# Altium PCB 打样.PcbDoc (part 2 of 2)
Units mil, origin at the board's own origin, x right, y up, seen from the top; angles counter-clockwise.
Board outline 3502.21 x 4542.23 mil, 2 copper layers (Top Layer, Bottom Layer); 58 components, 86 nets, 375 pads, 250 vias.
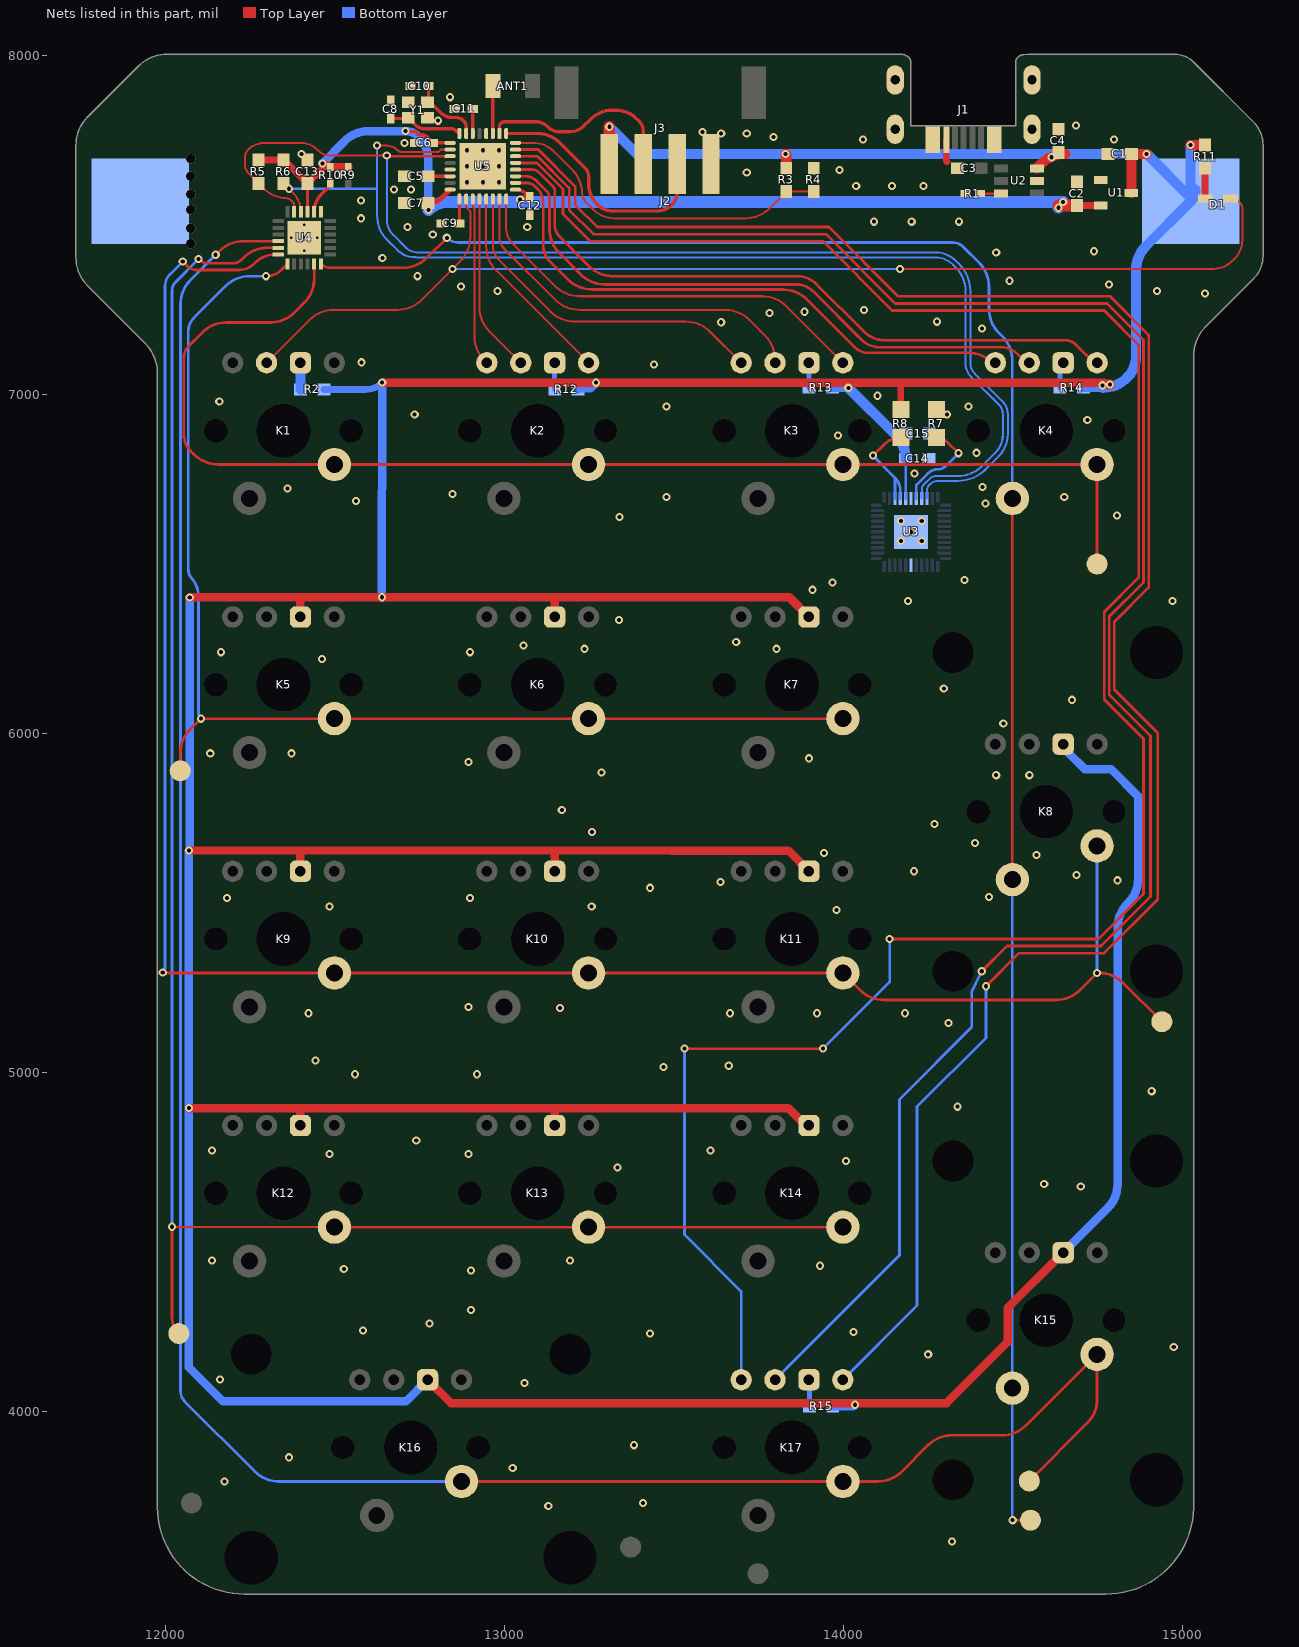
[diagram p2: the nets of this part, all layers, seen from the top]

## Via types
v1: diameter 24, hole 12, Top Layer to Bottom Layer, tented both sides, 229 vias
v2: diameter 24, hole 12, Top Layer to Bottom Layer, 9 vias
v3: diameter 28, hole 28, Top Layer to Bottom Layer, tented both sides, 6 vias
v4: diameter 19.68, hole 7.87, Top Layer to Bottom Layer, tented both sides, 4 vias
v5: diameter 24, hole 7.87, Top Layer to Bottom Layer, tented both sides, 1 vias
v6: diameter 94.49, hole 94.49, Top Layer to Bottom Layer, tented both sides, 1 vias

## Nets (pads, with @x,y where several pads share a name; then routed paths per layer and width w, separated by ;. In a path a pad name is that pad's centre, name@x,y a point inside that pad or via, vN(x,y) a via of type N, cw(c..) or ccw(c..) an arc to the next point about the centre after c; other vN are vias at no path point) (continued)
COL3: K4.4 K8.4 K15.4 pad.21 U4.12 | length 5798.8
  Top Layer w8: U4.12@12459,7385.4 ccw(c12487.06,7413.46) 12487.06,7373.78 12700.56,7373.78 ccw(c12700.56,7473.78) 12771.27,7403.07 v1(12830.6,7462.4) ; K8.4@14498.89,5568.86 K4.4@14498.89,6684.95 ; v1(14500,3679.4) pad.21@14552.46,3679.4 pad.21@14553.06,3680
  Bottom Layer w8: v1(12830.6,7462.4) ccw(c12864.07,7495.87) 12864.07,7448.54 14323.89,7448.54 cw(c14323.89,7406.01) 14353.96,7436.08 14400.69,7389.35 cw(c14329.98,7318.64) 14429.98,7318.64 14429.98,7252.19 ccw(c14529.98,7252.19) 14459.27,7181.48 14471.05,7169.7 cw(c14405.45,7104.1) 14498.22,7104.1 14498.22,7096.53 cw(c14469.39,7090.3) 14498.89,7090.3 K4.4@14498.89,6693.83 ; K4.4@14490,6693.83 K4.4@14498.89,6684.95 ; K8.4@14498.89,5568.86 K15.4@14498.89,4068.81 14498.89,3680.52 v1(14500,3679.4)
D1: K2.1 U5.5 | length 604.1
  Top Layer w6: U5.5@12946.65,7577.09 12946.65,7437.46 ccw(c13046.65,7437.46) 12975.94,7366.75 K2.1@13248.86,7093.83
D2: K2.2 U5.4 | length 529.4
  Top Layer w6: U5.4@12926.97,7577.09 12926.97,7257.14 ccw(c13026.97,7257.14) 12956.26,7186.43 K2.2@13048.86,7093.83
D3: K2.3 U5.3 | length 496.2
  Top Layer w6: U5.3@12907.28,7577.09 12907.28,7553.31 12912.39,7548.2 12912.39,7171.72 ccw(c13012.39,7171.72) 12941.68,7101.01 K2.3@12948.86,7093.83
D4: K3.1 U5.8 | length 1248
  Top Layer w6: U5.8@13005.71,7577.09 13005.71,7490 ccw(c13067.13,7490) 13023.67,7446.6 ; 13023.7,7446.57 13150.98,7319.29 ccw(c13221.69,7390) 13221.69,7290 13761.3,7290 cw(c13761.3,7190) 13832.01,7260.71 K3.1@13998.89,7093.83
D5: K3.2 U5.7 | length 1105.5
  Top Layer w6: U5.7@12986.02,7577.09 12986.02,7464.56 ccw(c13035.72,7464.56) 13000.58,7429.42 13150.71,7279.29 ccw(c13221.42,7350) 13221.42,7250 13651.75,7250 cw(c13651.75,7150) 13722.46,7220.71 13756.74,7186.43 13769.6,7173.58 cw(c13698.89,7102.87) 13798.89,7102.87 K3.2@13798.89,7093.83
D6: K3.3 U5.6 | length 1016.4
  Top Layer w6: U5.6@12966.34,7577.09 12966.34,7440.17 ccw(c13026.83,7440.17) 12984.05,7397.4 13137.17,7244.29 ccw(c13207.88,7315) 13207.88,7215 13536.3,7215 cw(c13536.3,7115) 13607.01,7185.71 K3.3@13698.89,7093.83
D7: K4.1 U5.12 | length 2013.2
  Top Layer w8: U5.12@13033.27,7663.7 13082.1,7663.7 cw(c13082.1,7634.84) 13102.51,7655.25 ; 13091.93,7661.97 cw(c13082.1,7634.84) 13102.51,7655.25 ; 13921.71,7325 14061,7185.71 ccw(c14123.07,7247.78) 14123.07,7160 14655,7160 cw(c14655,7114.54) 14687.15,7146.68 K4.1@14740,7093.83 ; 13921.68,7325.03 ccw(c13863.28,7266.57) 13863.28,7349.2 13321.14,7349.2 cw(c13321.14,7449.2) 13250.43,7378.49 13164.36,7464.56 cw(c13201.79,7501.99) 13148.86,7501.99 13148.86,7603.44 ccw(c13135.69,7603.44) 13145.01,7612.75 13102.51,7655.25
D8: K4.2 U5.11 | length 1798.9
  Top Layer w8: U5.11@13033.27,7644.01 13062.51,7644.01 cw(c13062.51,7598.07) 13094.99,7630.57 13124.83,7600.73 ; 13124.85,7600.71 cw(c13103.6,7579.51) 13131.6,7590.32 cw(c13103.6,7579.51) 13133.62,7579.51 13133.62,7487.76 ccw(c13233.62,7487.76) 13162.91,7417.05 13225.67,7354.29 ccw(c13296.38,7425) 13296.38,7325 13860,7325 cw(c13860,7249.75) 13913.21,7302.96 14056.17,7160 ccw(c14104.45,7208.28) 14104.45,7140 14465,7140 cw(c14465,7070.39) 14514.22,7119.61 K4.2@14540,7093.83
D9: K4.3 U5.10 | length 1708
  Top Layer w8: U5.10@13033.27,7624.33 13064.28,7624.33 cw(c13064.28,7584.78) 13092.24,7612.75 13097.33,7607.66 cw(c13054.67,7565) 13115,7565 13115,7438.8 ccw(c13178.57,7438.8) 13133.62,7393.85 13188.18,7339.29 ccw(c13258.89,7410) 13258.89,7310 13821.98,7310 cw(c13821.98,7210) 13892.69,7280.71 14033.4,7140 ccw(c14074.15,7180.75) 14074.15,7123.12 14369.29,7123.12 cw(c14369.29,7023.12) K4.3@14440,7093.83
D10: K17.3 U5.13 | length 6477.4
  Top Layer w8: U5.13@13033.27,7683.39 13096.36,7683.39 13173.43,7606.31 13173.43,7532.52 13253.4,7452.55 13940.19,7452.55 14144.49,7248.25 14770.01,7248.25 14871.57,7146.68 14871.57,6460.64 14770.01,6359.07 14770.01,6100.79 14886.08,5984.72 14886.08,5527.38 14752.56,5393.86 v1(14137.01,5393.86) ; v1(13531.52,5070.48) v1(13940.52,5070.48)
  Bottom Layer w8: v1(13531.52,5070.48) 13531.52,4521.7 13698.89,4354.34 K17.3@13698.89,4093.81 ; v1(13940.52,5070.48) 14137.01,5266.97 v1(14137.01,5393.86)
D11: K17.2 U5.14 | length 5891.3
  Top Layer w8: U5.14@13033.27,7703.07 13097.59,7703.07 13191.58,7609.08 13191.58,7544.56 13263.07,7473.06 13948.68,7473.06 14152.98,7268.76 14778.51,7268.76 14886.08,7161.19 14886.08,6446.13 14784.51,6344.56 14784.51,6115.3 14906.6,5993.22 14906.6,5518.89 14761.05,5373.34 14483.2,5373.34 v1(14408.71,5298.86)
  Bottom Layer w8: K17.2@13798.89,4093.81 14166.19,4461.11 14166.19,4920.7 14379.01,5133.53 14379.01,5238.19 v1@14404.13,5290.67 ; v1@14404.14,5290.69 14404.4,5291.03 v1(14408.71,5298.86)
D12: K17.1 U5.15 | length 5835.5
  Top Layer w8: U5.15@13033.27,7722.76 13100.4,7722.76 13209.25,7613.91 13209.25,7559.61 13274.56,7494.3 13957.48,7494.3 14161.78,7290 14787.3,7290 14901.1,7176.21 14901.1,6431.11 14799.53,6329.55 14799.53,6130.31 14927.83,6002.01 14927.83,5510.09 14769.85,5352.11 14518.79,5352.11 v1(14421.17,5254.49)
  Bottom Layer w8: K17.1@13998.89,4093.81 14217.92,4312.85 14217.92,4899.27 14421.17,5102.52 v1(14421.17,5254.49)
GND: C1.1 C2.1 C3.1 C4.1 C5.2 C6.2 C7.1 C8.2 C9.2 C10.2 C11.2 C12.1 C13.1 C14.1 C15.1 J1.5 J2.2 J3.4 R1.1 R4.1 R7.1 U1.1 U2.2 U3.17 U3.39 U3.45 U4.19 U4.25 U5.20 U5.29 U5.33 Y1.3 | length 65.7
  Top Layer w20: J1.5@14304.09,7751.69 14304.09,7691.09 ccw(c14310.56,7691.09) 14305.98,7686.52
  other v1: 14321.42,3616.87 13130,3721.65 13408.94,3730 12175,3793.81 13025,3833.18 12365,3864.94 13382.57,3900.71 13060,4084.06 12161.06,4095 14250.71,4168.81 14975,4189.92 13430,4230.07 14030,4235.12 12583.67,4239.35 12780,4260 12901.72,4300 12901.72,4415.97 12526.7,4420 13930.98,4430 12138.31,4445 13193.89,4445 14700.67,4664.22 14592.86,4670.8 13334.22,4720 14008.05,4738.81 12484.47,4760 12895.01,4760 12138.31,4770 13608.05,4770 12740.55,4800 14336.82,4899.27 14910,4945 12559.43,4995 12919.27,4995 13470,5016.78 13662.37,5020 12443.21,5035 14310.95,5145.64 12423.09,5175 13666.15,5175 13923.11,5175 14182.15,5175 13164.61,5190 12895.01,5193.86 13979.98,5480 12484.46,5490 13258.02,5490 12182.02,5515 12898.86,5515 14429.98,5517.4 13430,5545 13638.32,5562.44 14809.45,5567.13 14688.49,5582.4 14208.82,5593.86 14570,5641.38 13943.21,5647.82 14388.91,5676.92 13259.42,5709.85 14269.61,5733.5 13169.86,5774.73 14451.29,5877.16 14548.89,5877.16 13286.66,5885.25 12895.01,5916.02 13898.89,5927.01 12132.78,5941.73 12372.04,5941.73 14472.25,6029.45 14675.4,6099.53 14296.74,6133.29 12462.37,6220 12164.34,6240 12898.86,6240 13236.35,6250 13802.66,6250 13056.85,6260 13684.25,6270 13338.3,6335 14190.74,6390.59 14971.05,6390.59 13909.27,6424.11 13967.89,6445.57 14357.52,6452.92 14170.08,6568.34 14231.74,6568.34 14200.01,6595 14170.08,6626.5 14231.74,6626.5 13339.69,6638.58 14807.55,6643.16 14420.13,6679.1 12562.51,6685.84 13478.47,6697.36 14651.98,6697.36 12847.47,6706.88 12361.1,6723.12 14410.98,6727.26 14209.98,6767.56 14393.26,6828.25 13984.48,6879.5 14720,6924.73 12735.84,6941.27 14305.98,6941.27 13478.47,6964.84 14369.67,6964.84 12159.5,6979.23 14101.58,6996.52 13441.54,7088.87 12579.3,7095.14 14409.45,7194.8 13640,7213.28 14277,7215 13782.7,7240.38 13886.21,7244.29 14061,7250 15067.6,7298.48 14925.18,7305 12979.85,7306.01 12872.94,7319.29 14784.51,7325 14490,7335.74 12744.24,7349.2 12640.28,7403.31 14451.29,7419.37 14740,7422.72 12789.12,7472 12714.74,7494.3 13067.85,7494.3 14091.03,7510 14201.98,7510 14341.5,7510 12577.74,7520 12577.74,7572.64 12675,7604.65 12725,7604.65 14038.32,7615 14143.57,7615 14236.34,7615 13715.43,7655.13 13989.02,7661.97 12401.62,7709.24 12706,7742.05 14058.68,7752.3 14798.89,7752.3 13794.77,7760.16 13640,7770 13715.43,7770 13585,7775 14687.15,7793.9 12805,7807.93 12840.35,7877.25
  other v2: 12889.57,7626.3 12936.81,7626.3 12984.05,7626.3 12889.57,7673.54 12936.81,7673.54 12984.05,7673.54 12889.57,7720.79 12936.81,7720.79 12984.05,7720.79
  other v3: 12075,7445 12075,7490 12075,7545 12075,7590.32 12075,7644.01 12075,7695
  other v4: 12410,7424.21 12371.81,7462.4 12448.19,7462.4 12410,7500.59
  other v5: 12410,7462.4
LED: D1.3 K1.2 U5.2 | length 3403.8
  Top Layer w6: K1.2@12298.87,7093.83 12425.74,7220.71 cw(c12496.46,7150) 12496.46,7250 12685.44,7250 ccw(c12685.44,7350) 12756.15,7279.29 v1(12847.74,7370.88) 12870.71,7393.85 ccw(c12800,7464.56) 12900,7464.56 12900,7540.36 12887.6,7552.76 U5.2@12887.6,7577.09 ; v1(14167.18,7370.88) 15093.52,7370.88 ccw(c15093.52,7443.13) 15144.61,7392.04 ccw(c15095.24,7457.75) 15153.34,7399.63 15155.02,7401.3 ccw(c15101.32,7455) 15174.14,7433.45 ccw(c15101.32,7455) 15177.26,7455 15177.26,7540.98 ccw(c15138.76,7540.98) 15177.18,7543.42 15177.18,7551.15 ccw(c15158.5,7551.15) 15171.72,7564.35 15169.64,7566.44 ccw(c15142.4,7539.2) D1.3@15142.4,7577.72
  Bottom Layer w6: v1(12847.74,7370.88) v1(14167.18,7370.88)
NetANT1_1: ANT1.1 U5.19 | length 140
  Top Layer w10: U5.19@12966.34,7770 ANT1.1@12966.34,7910
NetC5_1: C5.1 U5.30 | length 65.4
  Top Layer w10: C5.1@12775,7644.01 U5.30@12840.35,7644.01
NetC8_1: C8.1 U5.24 Y1.2 | length 220.8
  Top Layer w10: C8.1@12665,7814.5 12711.5,7814.5 ccw(c12711.5,7821.52) Y1.2@12716.46,7816.56 12718.43,7816.56 12730.16,7804.82 12730.16,7802.93 12737,7796.09 ccw(c12766.18,7825.27) 12766.18,7784 12844.13,7784 cw(c12844.13,7765.22) 12847.74,7783.65 cw(c12844.13,7765.22) 12857.41,7778.5 cw(c12822.47,7724.56) U5.24@12867.91,7770
NetC9_1: C9.1 U5.1 | length 72.1
  Top Layer w10: C9.1@12867.91,7505 U5.1@12867.91,7577.09
NetC10_1: C10.1 U5.23 Y1.1 | length 213.3
  Top Layer w10: C10.1@12776.54,7910 12776.54,7869.07 cw(c12766.3,7869.07) Y1.1@12773.54,7861.83 cw(c12773.54,7839.8) 12789.12,7855.38 12813.29,7831.21 ccw(c12846.9,7864.83) 12831.86,7819.73 ccw(c12846.9,7864.83) 12846.9,7817.29 12857.41,7817.29 cw(c12857.41,7785.34) 12880,7807.93 cw(c12861.66,7789.59) 12887.6,7789.59 U5.23@12887.6,7770
NetC11_1: C11.1 U5.22 | length 72.7
  Top Layer w10: U5.22@12907.28,7770 C11.1@12907.28,7842.68
NetD1_0: D1.0 R11.1 | length 89.9
  Top Layer w20: D1.0@15067.6,7577.72 R11.1@15067.6,7667.6
NetK1_0: K1.0 R2.1 | length 78.8
  Bottom Layer w30: R2.1@12398.87,7015 K1.0@12398.87,7093.83
NetK2_0: K2.0 R12.2 | length 78.8
  Bottom Layer w15: R12.2@13148.86,7015 K2.0@13148.86,7093.83
NetK3_0: K3.0 R13.2 | length 73.8
  Bottom Layer w15: R13.2@13898.89,7020 K3.0@13898.89,7093.83
NetK4_0: K4.0 R14.2 | length 73.8
  Bottom Layer w15: R14.2@14640,7020 K4.0@14640,7093.83
NetK17_0: K17.0 R15.2 | length 79.1
  Bottom Layer w6: K17.0@13898.89,4093.81 cw(c13896.19,4091.12) K17.0@13900,4091.12
  Bottom Layer w15: R15.2@13900,4015 K17.0@13900,4091.12
NetR1_2: R1.2 U2.6 | length 58.6
  Top Layer w8: R1.2@14406.44,7592.8 U2.6@14465,7592.8
NetR7_2: R7.2 U3.40 | length 282.4
  Top Layer w8: R7.2@14275,6873.41 cw(c14275,6828.58) 14306.7,6860.28 v1(14340,6826.99)
  Bottom Layer w8: U3.40@14215.74,6693.42 14215.74,6707.59 cw(c14269.52,6707.59) 14215.8,6710.09 14215.8,6733.14 14215.74,6733.2 14250.11,6767.56 cw(c14278.74,6738.92) 14278.74,6779.42 ccw(c14278.74,6814.39) 14303.47,6789.66 14323.89,6810.08 14324.1,6810.08 14339.29,6825.26 ccw(c14337.56,6826.99) v1(14340,6826.99)
NetR8_2: R8.2 U3.36 U3.37 | length 319.3
  Top Layer w8: v1(14088.33,6820) 14121.76,6853.43 cw(c14170,6805.19) R8.2@14170,6873.41
  Bottom Layer w8: v1(14088.33,6820) ccw(c14091.03,6820) 14089.12,6818.09 14152.75,6754.46 ; U3.36@14152.76,6693.42 14152.76,6711.1 ccw(c14139.91,6711.1) 14152.75,6711.51 14152.75,6754.46 ; U3.37@14168.51,6693.42 14168.51,6716.44 ccw(c14114.73,6716.44) 14152.75,6754.46
NetR10_2: R10.2 U4.20 | length 99.8
  Top Layer w10: U4.20@12439.3,7539 cw(c12512.45,7539) 12460.72,7590.72 12481.82,7611.82 ccw(c12470.53,7623.11) R10.2@12486.5,7623.11
ROW0: K1.5 K2.5 K3.5 K4.5 pad.9 U4.11 | length 3797.2
  Top Layer w8: U4.11@12439.3,7385.4 12439.3,7341.68 cw(c12339.3,7341.68) 12410.01,7270.97 12381.04,7242 cw(c12310.33,7312.71) 12310.33,7212.71 12180.29,7212.71 ccw(c12180.29,7112.71) 12109.58,7183.42 12068.6,7142.45 ccw(c12101.51,7109.58) 12057.72,7125.25 ccw(c12101.51,7109.58) 12055,7109.58 12055,6881.73 ccw(c12123.28,6881.73) 12075,6833.45 12085.33,6823.12 ccw(c12156.04,6893.83) 12156.04,6793.83 K1.5@12498.87,6793.83 K2.5@13248.86,6793.83 K3.5@13998.89,6793.83 K4.5@14740,6793.83 ; pad.9@14748.89,6500 K4.5@14748.89,6793.83
ROW1: K5.5 K6.5 K7.5 pad.11 U4.7 | length 3599.6
  Top Layer w8: pad.11@12044.29,5890.08 12044.29,5941.73 cw(c12144.29,5941.73) 12073.58,6012.44 v1(12105,6043.86) K5.5@12498.88,6043.86 K6.5@13248.86,6043.86 K7.5@13998.89,6043.86 ; v1(12297.08,7349.2) ccw(c12297.08,7415.16) 12343.72,7368.52 U4.7@12360.6,7385.4
  Bottom Layer w8: v1(12105,6043.86) cw(c12121.87,6060.73) 12098.01,6060.73 12098.01,6405.48 ccw(c12018.14,6405.48) 12080.73,6455.09 cw(c12112,6486.36) 12076.46,6460.05 cw(c12112,6486.36) 12067.79,6486.36 12067.79,7185 cw(c12128.14,7185) 12085.46,7227.68 12177.7,7319.91 cw(c12248.41,7249.2) 12248.41,7349.2 v1(12297.08,7349.2)
ROW2: K8.5 K9.5 K10.5 K11.5 pad.10 U4.6 | length 5847.9
  Top Layer w8: v1@12001.74,5295 ccw(c12004.5,5297.75) 12004.5,5293.86 K9.5@12498.88,5293.86 K10.5@13248.86,5293.86 K11.5@13998.89,5293.86 14049.49,5243.26 ccw(c14120.2,5313.97) 14120.2,5213.97 14627.57,5213.97 ccw(c14627.57,5313.97) 14698.28,5243.26 v1(14748.89,5293.86) 14754.72,5293.86 cw(c14754.72,5193.86) 14825.43,5264.57 pad.10@14940,5150 ; v1(12051.74,7392.55) 12066.45,7377.84 ccw(c12091.03,7402.42) 12091.03,7367.66 12217.79,7367.66 ccw(c12217.79,7431.24) 12262.74,7386.28 12265.11,7388.65 cw(c12323.9,7329.86) 12323.11,7413 cw(c12323.9,7329.86) 12323.9,7413 U4.6@12333,7413
  Bottom Layer w8: v1(11992.57,5295) ccw(c11975.75,5311.81) 11999.53,5311.81 11999.53,5333.23 11999.53,7319.91 cw(c12048.84,7319.91) 12013.97,7354.78 v1(12051.74,7392.55) ; v1(14748.89,5293.86) K8.5@14748.89,5668.86
ROW3: K12.5 K13.5 K14.5 pad.12 U4.5 | length 5435.8
  Top Layer w8: pad.12@12040,4230.07 cw(c12088.28,4278.35) 12020,4278.35 v1(12020,4545.01) K12.5@12498.87,4543.8 K13.5@13248.86,4543.8 K14.5@13998.89,4543.8 ; v1(12098.01,7399.53) ccw(c12128.03,7429.55) 12128.03,7387.1 12198.58,7387.1 ccw(c12198.58,7425.3) 12225.59,7398.28 12230.72,7403.41 cw(c12301.43,7332.7) 12301.43,7432.7 U4.5@12333,7432.7
  Bottom Layer w8: v1(12020,4545.01) 12020,7307.69 cw(c12053.38,7307.69) 12029.77,7331.29 v1(12098.01,7399.53)
ROW4: K15.5 K16.5 K17.5 pad.13 U4.4 | length 7000.6
  Top Layer w8: v1(12148.87,7412.38) 12159.5,7423.01 cw(c12230.21,7352.3) 12230.21,7452.3 U4.4@12333,7452.3 ; K16.5@12873.89,3793.81 K17.5@13998.89,3793.81 14102.39,3793.81 ccw(c14102.39,3893.81) 14173.1,3823.1 14250.71,3900.71 cw(c14321.42,3830) 14321.42,3930 14468.65,3930 ccw(c14468.65,4030) 14539.36,3959.29 K15.5@14748.89,4168.81 14748.89,4036.42 cw(c14648.89,4036.42) 14719.6,3965.71 pad.13@14548.89,3795
  Bottom Layer w8: v1(12148.87,7412.38) 12074.29,7337.8 ccw(c12145,7267.09) 12045,7267.09 12045,4059.9 ccw(c12087.28,4059.9) 12057.38,4030 12264.28,3823.1 ccw(c12334.99,3893.81) 12334.99,3793.81 K16.5@12873.89,3793.81
SCL: R5.1 U3.42 U4.23 U5.27 | length 3717.5
  Top Layer w6: U4.23@12380.2,7539 12380.2,7560 ccw(c12370.26,7560) 12377.29,7567.03 12373.63,7570.68 ccw(c12350.82,7547.87) 12356.89,7579.55 ccw(c12350.82,7547.87) 12350.82,7580.13 12348.87,7580.13 cw(c12360.03,7679.51) 12289.32,7608.79 R5.1@12275,7623.11 12275,7624.61 12260.5,7639.11 12259,7639.11 12246.95,7651.16 cw(c12275.77,7680) 12235,7680 12235,7698.61 cw(c12269.14,7698.61) 12245,7722.76 cw(c12291.57,7676.18) 12291.57,7742.05 12401.62,7742.05 cw(c12401.62,7676.18) 12448.19,7722.76 ccw(c12515.2,7789.76) 12455.15,7716.45 ccw(c12481.23,7742.53) 12464.81,7709.51 ccw(c12481.23,7742.53) 12481.23,7705.65 v1(12653.53,7705.65) ccw(c12659.75,7711.87) 12659.75,7703.07 U5.27@12840.35,7703.07
  Bottom Layer w6: v1(12653.53,7705.65) 12653.53,7516.78 ccw(c12718.46,7516.78) 12672.55,7470.86 12710.32,7433.09 ccw(c12743.45,7466.21) 12742.11,7419.39 ccw(c12743.45,7466.21) 12743.45,7419.37 14270.82,7419.37 cw(c14270.82,7329.96) 14334.04,7393.18 14341.5,7385.72 cw(c14260.63,7304.85) 14375,7304.85 14375,7093.83 ccw(c14420.86,7093.83) 14388.43,7061.41 14469.68,6980.16 cw(c14431.68,6942.16) 14485.42,6942.16 14485.42,6882.66 cw(c14394.1,6882.66) 14458.67,6818.09 14419.7,6779.11 cw(c14338.83,6859.98) 14338.83,6745.62 14278.74,6745.62 ccw(c14278.74,6714.77) 14256.93,6736.58 14253.26,6732.91 ccw(c14267.77,6718.4) 14247.24,6718.4 14247.24,6711.09 cw(c14235.77,6710.97) 14247.24,6710.97 U3.42@14247.24,6693.42
SDA: R6.1 U3.41 U4.22 U5.26 | length 3454.7
  Top Layer w6: v1(12364.87,7607.11) 12376.53,7595.45 cw(c12320.04,7539) U4.22@12399.9,7539 ; v1@12625.02,7722.78 v1(12625.02,7734.41) 12654.4,7734.41 cw(c12654.4,7694.69) 12682.48,7722.78 ccw(c12701.26,7741.55) 12701.26,7715 12805,7715 12812.76,7722.76 U5.26@12840.35,7722.76
  Bottom Layer w6: v1(12364.87,7607.11) 12625,7607.11 ; v1(12625.02,7734.41) 12625.02,7695.02 12625,7607.11 ; 12685.77,7425.22 12654.29,7456.71 cw(c12725,7527.42) 12625,7527.42 12625,7607.11 ; 12685.81,7425.19 ccw(c12733.88,7473.33) 12710.32,7409.51 ccw(c12733.88,7473.33) 12733.88,7405.3 ccw(c12742.11,7519.37) 12742.11,7405 14270.82,7405 cw(c14270.82,7329.96) 14323.89,7383.02 14331.34,7375.56 cw(c14260.63,7304.85) 14360.63,7304.85 14360.63,7093.83 ccw(c14420.86,7093.83) 14378.27,7051.25 14459.52,6970 cw(c14431.68,6942.16) 14471.05,6942.16 14471.05,6882.66 cw(c14394.1,6882.66) 14448.51,6828.25 14408.75,6788.49 cw(c14338.04,6859.2) 14338.04,6759.2 14270.14,6759.2 ccw(c14270.14,6740.51) 14256.93,6753.72 14236.34,6733.14 ccw(c14247.46,6722.02) 14231.74,6722.02 14231.74,6711.09 ccw(c14268.71,6706.82) 14231.49,6706.82 U3.41@14231.49,6693.42
SENSE: R3.1 R4.2 U5.16 | length 1019.1
  Top Layer w6: U5.16@13033.27,7742.44 13083.66,7742.44 cw(c13083.66,7651.29) 13092.13,7742.05 cw(c13083.66,7651.29) 13148.11,7715.74 13200.57,7663.29 cw(c13129.86,7592.58) 13229.86,7592.58 ccw(c13262.66,7592.58) 13239.46,7569.39 13263.01,7545.84 ccw(c13325.44,7608.33) 13325.44,7520 13711.99,7520 ccw(c13711.99,7620) 13782.7,7549.29 R3.1@13832.01,7598.6 R4.2@13913.21,7598.6
SWDCLK: J3.3 U5.17 | length 742.6
  Top Layer w10: U5.17@13005.71,7770 13097.83,7770 cw(c13097.83,7675.91) 13164.36,7742.44 13239.01,7667.79 cw(c13215.23,7644.01) 13248.86,7644.01 13248.86,7623.11 ccw(c13338.11,7623.11) 13275,7560 ccw(c13319.66,7604.66) 13319.66,7541.5 13450.34,7541.5 ccw(c13450.34,7604.66) 13495,7560 ccw(c13458.87,7596.13) 13509.97,7596.13 J3.3@13509.97,7679.68
SWDIO: J3.2 U5.18 | length 607.8
  Top Layer w10: U5.18@12986.02,7770 12986.02,7790 cw(c13000.57,7790) 12990.28,7800.28 cw(c13001.67,7788.9) 13001.67,7805 13091.93,7805 cw(c13091.93,7753.79) 13128.15,7790 ccw(c13164.36,7826.21) 13164.36,7775 13179,7775 ccw(c13179,7847.08) 13188.18,7775.59 13194.15,7775.59 ccw(c13194.15,7833.37) 13235.01,7792.51 13253.8,7811.3 cw(c13321.14,7743.96) 13321.14,7839.19 13325.44,7839.19 cw(c13325.44,7739.19) 13382.21,7821.52 13399.17,7804.55 cw(c13373.12,7778.5) 13409.97,7778.5 J3.2@13409.97,7679.68
Vbat: C1.2 C4.2 C14.2 C15.2 J2.1 J3.1 K5.0 K6.0 K7.0 K8.0 K9.0 K10.0 K11.0 K12.0 K13.0 K14.0 K15.0 K16.0 R2.2 R3.2 R8.1 R11.2 R12.1 R13.1 R14.1 R15.1 U1.3 U2.3 U3.38 | length 19648.1
  Top Layer w20: R8.1@14169.8,6955.71 14169.8,7035.08 14170,7035.28
  Top Layer w25: v1(12070,4895) 12398.87,4895 ; v1(12070,5655) 12398.87,5655 13148.86,5655 ; v1(12072.23,6400.91) 12073.41,6402.09 12398.88,6402.09 ; K12.0@12398.87,4843.8 12398.87,4895 ; K9.0@12398.88,5593.86 12398.88,5654.98 ; K5.0@12398.88,6343.86 12398.88,6402.09 ; v1(12640,7035.28) 12640.28,7035 v1(13270.83,7035) 13271.11,7035.28 14022.92,7035.28 ; K16.0@12773.89,4093.81 12842.7,4025 14305,4025 14485,4205 14485,4304.93 K15.0@14648.89,4468.81 ; K13.0@13148.86,4843.8 13148.86,4895 ; K10.0@13148.86,5593.86 13148.86,5655 ; K6.0@13148.86,6343.86 13148.86,6399.01 13145.78,6402.09 v1(12639.28,6402.09) 12398.88,6402.09 ; 13148.86,6402.09 13840.65,6402.09 K7.0@13898.89,6343.86 ; K14.0@13898.89,4843.8 13881.89,4860.79 13872.22,4860.79 13838.02,4895 13148.86,4895 ; K11.0@13898.89,5593.86 13838.12,5654.62 13493.68,5654.62 13493.3,5655 13148.86,5655 ; v1(14015,7020) 14015,7027.36 14022.92,7035.28 ; v1@14768.9,7035.28 14170,7035.28 14022.92,7035.28 ; 12398.87,4895 13148.86,4895
  Top Layer w30: v1(13830,7710) cw(c13825.16,7705.16) 13832.01,7705.16 R3.2@13832.01,7667.6 ; U2.3@14571.3,7667.6 14584.5,7680.8 cw(c14655,7610.29) 14655,7710 ; v1@14781.64,7030 v1(14787.16,7030) ; U1.3@14850,7595 C1.2@14850,7710 v1(14895,7710) ; v1(15025,7736.6) R11.2@15067.6,7736.6
  Top Layer w35: J3.1@13309.98,7679.68 v1(13309.98,7790)
  Bottom Layer w8: U3.38@14184.26,6693.42 C14.2@14184.26,6810.08 14184.26,6883.2 cw(c14186.8,6883.2) C15.2@14185,6885
  Bottom Layer w20: R2.2@12467.87,7015 12591.05,7015 ccw(c12591.05,7084.23) v1(12640,7035.28)
  Bottom Layer w25: v1(12072.23,6400.91) 12072.23,5657.23 v1(12070,5655) v1(12070,4895) 12070,4130 12170,4030 12710.07,4030 K16.0@12773.89,4093.81 ; v1(12639.28,6402.09) v1(12640,7035.28) ; R12.1@13217.86,7015 13221.14,7018.28 13254.11,7018.28 v1(13270.83,7035) ; R13.1@13967.89,7020 v1(14015,7020) ; R15.1@13969,4015 14030,4015 v1(14035,4020) ; K15.0@14648.89,4468.81 14780.16,4600.09 ccw(c14709.45,4670.8) 14809.45,4670.8 14809.45,5427.52 cw(c14909.45,5427.52) 14838.74,5498.24 14840.71,5500.2 ccw(c14770,5570.91) 14870,5570.91 14870,5815 14790,5895 14712.53,5895 14665.88,5941.65 14665.88,5951.87 K8.0@14648.89,5968.86 ; R14.1@14709,7020 v1@14766.02,7020
  Bottom Layer w30: v1(13309.98,7790) 13389.98,7710 v1(13830,7710) v1(14895,7710) 15017.93,7587.07 cw(c15000.86,7570) J2.1@15025,7570 ; v1(14015,7020) 14155.5,6879.5 cw(c14086.07,6810.08) C14.2@14184.26,6810.08 ; v1@14766.02,7020 ccw(c14766.02,7120) 14836.73,7049.29 14845.45,7058.02 ccw(c14763.86,7115.82) 14863.86,7115.82 14863.86,7367.44 cw(c14963.86,7367.44) 14893.15,7438.15 J2.1@15025,7570 ; J2.1@15024.57,7605.16 v1@15024.57,7736.6 ; J2.1@15039.57,7605.16 cw(c14989.84,7605.16) J2.1@15025,7570
  other v1: 14765.24,7027.36 14615,7700
VDD: C2.2 C6.1 C7.2 C12.2 C13.2 R5.2 R6.2 R9.2 R10.1 U1.2 U4.21 U5.9 U5.25 U5.32 | length 3298.7
  Top Layer w10: U4.21@12419.6,7539 C13.2@12419.6,7623.11 ; v1(12709.01,7777.27) 12710.17,7776.12 12737.81,7776.12 12747,7766.92 12755.99,7766.92 12756.15,7766.76 cw(c12756.15,7743.75) 12772.42,7760.02 C6.1@12790,7742.44 U5.25@12840.35,7742.44 ; U5.9@13033.27,7604.65 cw(c13033.27,7555.72) C12.2@13067.85,7590.32
  Top Layer w15: C7.2@12775,7565 ccw(c12775,7627.07) 12818.89,7583.18 U5.32@12840.35,7604.65 ; v1(13047.07,7575) cw(c13066.82,7555.25) 13066.82,7583.18 C12.2@13075,7583.18 C12.2@13067.86,7590.31
  Top Layer w20: R5.2@12275,7692.11 R6.2@12348.87,7692.11 cw(c12348.87,7687.93) 12351.83,7690.89 C13.2@12419.6,7623.11 12454.59,7658.1 cw(c12486.5,7626.17) R10.1@12486.5,7671.31 12484.6,7673.21 ccw(c12463.37,7651.98) v1(12463.37,7682) ; C2.2@14690,7557.6 U1.2@14759.45,7557.6
  Top Layer w25: R10.1@12486.5,7671.31 R9.2@12540,7671.31
  Top Layer w35: C7.2@12775,7563.63 C7.2@12775,7565 ; v1@14635,7557.6 C2.2@14690,7557.6
  Bottom Layer w25: v1(12463.37,7682) 12529.35,7747.98 cw(c12600.06,7677.27) 12600.06,7777.27 v1(12709.01,7777.27) cw(c12709.01,7724.96) 12746,7761.95 cw(c12672.26,7688.21) 12776.54,7688.21 v1(12776.54,7544.6)
  Bottom Layer w35: v1(12776.54,7544.6) cw(c12832.97,7488.18) 12832.97,7567.98 14000,7567.98 14000.23,7568.21 v1(14648.89,7568.21) 14637.27,7556.59 ccw(c14642.75,7551.11) v1(14635,7551.11)
pads on no net: ANT1.0 J1.2 J1.3 J1.4 J3.5 J3.6 K1. K1.1 K1.3 K2. K3. K4. K5. K6. K7. K8. K9. K10. K11. K12. K13. K14. K15. K16. K17. U4.1 U4.2 U4.3 U4.13 U4.14 U4.15 U4.16 U4.17 U4.18 U5.21 U5.31
copper on no net:
  other v6: 14871.57,7885

## Polygon pours and split planes (outlines as drawn)
GND on Bottom Layer "NONET_L01_P-001" (solid, remove dead copper, pour order 0): 11375,8100 16475,8100 16475,3781.42 cw(c16375,3781.42) 16445.71,3710.71 15940,3205 ccw(c15903.79,3168.79) 15903.79,3220 10960,3220
GND on Top Layer "NONET_L01_P-001" (solid, remove dead copper, pour order 2): 11380,8100 16480,8100 16480,3781.42 cw(c16380,3781.42) 16450.71,3710.71 15945,3205 ccw(c15908.79,3168.79) 15908.79,3220 10965,3220

## Other copper
Top Layer:
  pour cut-out: 12900,8005 13145,8005 13145,7906.42 cw(c13045,7906.42) 13115.71,7835.71 13095,7815 12935,7820
Bottom Layer:
  pour cut-out: 12900,8005 13145,8005 13145,7906.42 cw(c13045,7906.42) 13115.71,7835.71 13085.98,7805.98 12914.59,7805.98

## Silkscreen, mask and mechanical layers (free items; w line width, h text height)
Top Overlay:
  text "电源指示灯" at 14990,7455 h62
  text "BAT" at 13348.86,7400.6 h60 r90
  text "DIO" at 13448.86,7400.8 h60 r90
  text "CLK" at 13550,7400.8 h60 r90
  text "GND" at 13648.89,7400.6 h60 r90
  text "row0" at 14798.89,6475 h36
  text "row1" at 12025,5805 h36
  text "row2" at 14855,5060 h36
  text "row3" at 12000,4135 h36
  text "col0" at 12020,3793.81 h36
  text "row4" at 14630,3770 h36
  text "col3" at 14630,3655 h36
  text "col1" at 13330,3490 h36
  text "col2" at 13815,3480 h36
Top Solder:
  drawing of 796 lines, arcs and shapes, not listed
Mechanical 1:
  lines w2.76: 11735,7735 cw(c11855.71,7735) 11770.36,7820.36 11919.64,7969.64 cw(c12005,7884.29) 12005,8005 14181.23,8005 ; 11735,7745 11735,7405 ccw(c11855.71,7405) 11770.36,7319.64 11939.64,7150.36 cw(c11854.29,7065) 11975,7065 11975.74,7050 11975.74,3717.49 ccw(c12233.23,3717.49) 12233.23,3460 14774.92,3460 ccw(c14774.92,3720.14) 15035.05,3717.09 ; 14155.97,8005 14170.86,8005 cw(c14170.86,7970.86) 14195,7995 cw(c14181.6,7981.6) 14200.55,7981.6 14200.55,7794.3 ccw(c14201.5,7795.25) 14201.5,7793.9 14507.48,7793.9 14507.48,7981.69 cw(c14526.3,7981.69) 14512.99,7995 14514.58,7996.59 cw(c14532.24,7978.92) 14532.24,8003.9 14545,8005 14980,8005 cw(c14980,7929.42) 15033.44,7982.86 15211.31,7805 cw(c15142.03,7735.73) 15240,7735.73 15240,7410 cw(c15142.03,7410) 15211.31,7340.73 15070.36,7199.78 ccw(c15155.71,7114.42) 15035,7114.42 15035,6995 15035,6430 15035,3714.08

## Text inside footprints (layer, text, board x,y; h text height)
J2: Bottom Overlay "-" at 12580,7635 h118.11 r90; Bottom Overlay "+" at 14610,7660 h118.11 r180